# Altium PCB BMD-300-Eval.PcbDoc (part 1 of 3) (continued)
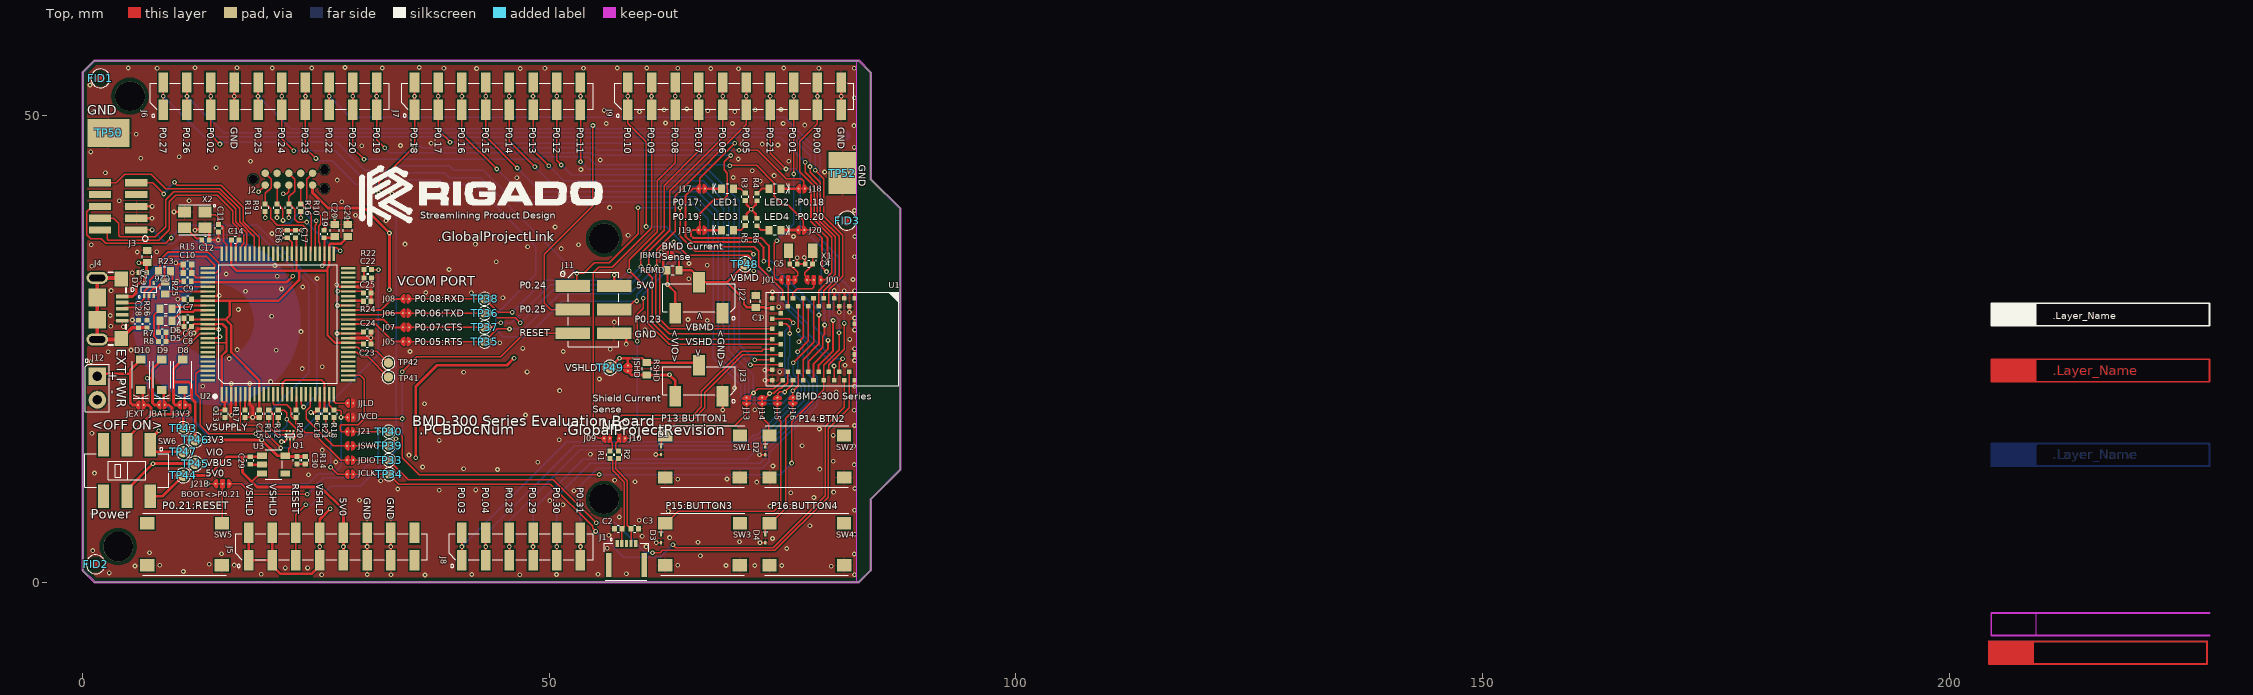
[diagram p0: Top view]
## Components (designator, comment, footprint, x,y, rotation, side; value= is the part's Value field where it differs from the comment) (continued)
JVCD "Solderbridge-OpenDNP" Solderbridge-Open#2 28.997,17.653 r180 top
LED1 "115-00020" "Diode 0603 HD" 69.088,42.164 r180 top
LED2 "115-00020" "Diode 0603 HD" 74.168,42.164 r0 top
LED3 "115-00019" "Diode 0603 HD" 69.088,37.719 r180 top
LED4 "115-00019" "Diode 0603 HD" 74.168,37.719 r0 top
Q1 "140-00019" SOT-963 22.225,15.748 r90 top
R1 "180-000200" "RES 0402 HD" 56.515,13.665 r90 top
R2 "180-000200" "RES 0402 HD" 57.404,13.665 r90 top
R3 "180-00031499" "RES 0402 HD" 70.993,41.294 r270 top
R4 "180-00031499" "RES 0402 HD" 72.263,41.275 r270 top
R5 "180-00098220" "RES 0402 HD" 70.993,38.608 r270 top
R6 "180-00098220" "RES 0402 HD" 72.263,38.589 r270 top
R7 "180-00098220" "RES 0402 HD" 8.54,26.78 r0 top
R8 "180-00031499" "RES 0402 HD" 8.54,25.805 r0 top
R9 "180-001214.7k" "RES 0402 HD" 20.828,40.132 r270 top
R10 "180-001214.7k" "RES 0402 HD" 23.368,40.132 r270 top
R11 "180-001214.7k" "RES 0402 HD" 19.558,40.132 r270 top
R12 "180-0002410k" "RES 0402 HD" 20.955,18.034 r90 top
R13 "180-0002410k" "RES 0402 HD" 19.939,18.034 r90 top
R14 "180-000211k" "RES 0402 HD" 23.851,13.056 r270 top
R15 "180-000686.8k" "RES 0402" 11.233,34.025 r0 top
R16 "180-001214.7k" "RES 0402 HD" 22.098,40.132 r90 top
R17 "180-000211k" "RES 0402 HD" 17.399,18.053 r270 top
R18 "180-0002410k" "RES 0402 HD" 26.924,18.034 r270 top
R20 "180-00056220" "RES 0402 HD" 22.86,18.034 r90 top
R21 "180-00056220" "RES 0402 HD" 26.035,18.034 r90 top
R22 "180-000211k" "RES 0402 HD" 30.566,33.49 r0 top
R23 "180-0000627" "RES 0603 HD" 8.765,33.305 r0 top
R24 "180-000211k" "RES 0402 HD" 30.48,30.099 r180 top
R25 "180-0000627" "RES 0603 HD" 8.84,31.53 r270 top
R26 "180-0002410k" "RES 0402 HD" 6.889,27.662 r90 top
RBMD "180-001091R" "RES 0603 HD" 63.246,33.426 r0 top
RSHD "180-001091R" "RES 0603 HD" 60.452,22.86 r90 top
SW1 "135-00002" SW_TACT_SMT_6mm 66.421,13.462 r0 top
SW2 "135-00002" SW_TACT_SMT_6mm 77.597,13.462 r0 top
SW3 "135-00002" SW_TACT_SMT_6mm 66.421,4.064 r0 top
SW4 "135-00002" SW_TACT_SMT_6mm 77.597,4.064 r0 top
SW5 "135-00002" SW_TACT_SMT_6mm 10.922,4.064 r0 top
SW6 "137-00006" SW_Slide_DPDT_JS202011SCQN 4.74,11.955 r180 top
TP1 "TP" TP10R 78.74,53.086 r90 bottom
TP2 "TP" TP10R 76.2,53.086 r90 bottom
TP3 "TP" TP10R 13.716,53.086 r90 bottom
TP4 "TP" TP10R 40.64,2.794 r90 bottom
TP5 "TP" TP10R 43.18,2.794 r90 bottom
TP6 "TP" TP10R 71.12,53.086 r90 bottom
TP7 "TP" TP10R 68.58,53.086 r90 bottom
TP8 "TP" TP10R 66.04,53.086 r90 bottom
TP9 "TP" TP10R 63.5,53.086 r90 bottom
TP10 "TP" TP10R 60.96,53.086 r90 bottom
TP11 "TP" TP10R 58.42,53.086 r90 bottom
TP12 "TP" TP10R 53.34,53.086 r90 bottom
TP13 "TP" TP10R 50.8,53.086 r90 bottom
TP14 "TP" TP10R 48.26,53.086 r90 bottom
TP15 "TP" TP10R 45.72,53.086 r90 bottom
TP16 "TP" TP10R 43.18,53.086 r90 bottom
TP17 "TP" TP10R 40.64,53.086 r90 bottom
TP18 "TP" TP10R 38.1,53.086 r90 bottom
TP19 "TP" TP10R 35.56,53.086 r90 bottom
TP20 "TP" TP10R 31.496,53.086 r90 bottom
TP21 "TP" TP10R 28.956,53.086 r90 bottom
TP22 "TP" TP10R 73.66,53.086 r90 bottom
TP23 "TP" TP10R 26.416,53.086 r90 bottom
TP24 "TP" TP10R 23.876,53.086 r90 bottom
TP25 "TP" TP10R 21.336,53.086 r90 bottom
TP26 "TP" TP10R 18.796,53.086 r90 bottom
TP27 "TP" TP10R 11.176,53.086 r90 bottom
TP28 "TP" TP10R 8.636,53.086 r90 bottom
TP29 "TP" TP10R 45.72,2.794 r90 bottom
TP30 "TP" TP10R 48.26,2.794 r90 bottom
TP31 "TP" TP10R 50.8,2.794 r90 bottom
TP32 "TP" TP10R 53.34,2.794 r90 bottom
TP33 "TP" TP10R 32.817,13.081 r90 top
TP34 "TP" TP10R 32.842,11.557 r90 top
TP35 "TP" TP10R 43.072,25.781 r90 top
TP36 "TP" TP10R 43.072,28.829 r90 top
TP37 "TP" TP10R 43.072,27.305 r90 top
TP38 "TP" TP10R 43.072,30.353 r90 top
TP39 "TP" TP10R 32.817,14.605 r90 top
TP40 "TP" TP10R 32.817,16.129 r90 top
TP41 "TP" TP10R 32.766,21.971 r90 top
TP42 "TP" TP10R 32.766,23.495 r90 top
TP43 "TP" TP10R 10.795,16.51 r90 top
TP44 "TP" TP12R 10.795,11.43 r90 top
TP45 "TP" TP12R 12.065,12.7 r90 top
TP46 "TP" TP12R 12.065,15.24 r90 top
TP47 "TP" TP12R 10.795,13.97 r90 top
TP48 "TP" TP12R 70.968,34.061 r180 top
TP49 "TP" TP12R 56.515,22.987 r90 top
TP50 "TP4.5x3SqDNP" TP4.5x3Sq#1 2.794,48.133 r180 top
TP51 "TP4.5x3SqDNP" TP4.5x3Sq#2 2.794,48.133 r180 bottom
TP52 "TP4.5x3SqDNP" TP4.5x3Sq#1 81.407,43.815 r270 top
TP53 "TP4.5x3SqDNP" TP4.5x3Sq#2 81.407,43.815 r90 bottom
TP54 "TP" TP10R 25.4,2.794 r90 bottom
TP55 "TP" TP10R 27.94,2.794 r90 bottom
TP56 "TP" TP10R 30.48,2.794 r90 bottom
TP57 "TP" TP10R 16.256,53.086 r90 bottom
TP58 "TP" TP10R 81.28,53.086 r90 bottom
U1 "205-00011" BMD-300 80.365,26.04 r180 top locked
U2 "200-00028" QFP0.5P25x25-100Pin 20.914,27.648 r90 top locked
U3 "260-00024" SOT-23-5 20.454,12.589 r0 top
X1 "100-00005" XTAL_3215 76.933,35.489 r180 top
X2 "100-00013" XTAL_3225 12.024,38.824 r180 top

## Footprints (in the part's own frame and the unit in brackets; to place one, negate y for a bottom-side part, rotate by r counter-clockwise, add the part's x,y. Pads: shape width x height; smd on the part's side, far side on the other; paste and mask are expansions set on the pad)
BMD-300 [mm] "BMD-300, LGA, 47pin ,1.1mm Pitch, 14mm x 9.8mm"
  rect 0.49x0.49 smd: 1(-2.35,-4.4) 2(-1.8,-3.5) 3(-1.25,-4.4) 4(-0.7,-3.5) 5(-0.15,-4.4) 6(0.4,-3.5) 7(0.95,-4.4) 8(1.5,-3.5) 9(2.05,-4.4) 10(2.6,-3.5) 11(3.15,-4.4) 12(3.7,-3.5) 13(4.25,-4.4) 14(4.8,-3.5) 15(5.35,-4.4) 16(6.45,-4.4) 17(6.45,-3.3) 18(5.55,-2.75) 19(6.45,-2.2) 20(5.55,-1.65) 21(6.45,-1.1) 22(5.55,-0.55) 23(6.45,0) 24(5.55,0.55) 25(6.45,1.1) 26(5.55,1.65) 27(6.45,2.2) 28(5.55,2.75) 29(6.45,3.3) 30(6.45,4.4) 31(5.35,4.4) 32(4.8,3.5) 33(4.25,4.4) 34(3.7,3.5) 35(3.15,4.4) 36(2.6,3.5) 37(2.05,4.4) 38(1.5,3.5) 39(0.95,4.4) 40(0.4,3.5) 41(-0.15,4.4) 42(-0.7,3.5) 43(-1.25,4.4) 44(-1.8,3.5) 45(-2.35,4.4) 46(-2.35,1.65) 47(-2.35,-1.65)
  Multi-Layer pour cut-out: -2.6,-4.9 -2.6,4.9 -7,4.9 -7,-4.9
  silkscreen extent -7.1,-5 7.1,5, body extent -7,-4.9 7,4.9, height 1.89
"Cap 0402" [mm] "Chip Capacitor, 2-Leads, Body 1.00x0.50mm, IPC Medium Density"
  rect 0.62x0.62 smd: 1(-0.45,0) 2(0.45,0)
  silkscreen extent -0.1,-0.43 0.1,0.43, body extent -0.55,-0.3 0.55,0.3, height 0.6
"Cap 0402 HD" [mm] "Chip Capacitor, 2-Leads, Body 1.00x0.50mm, IPC High Density"
  rect 0.52x0.55 smd: 1(-0.4,0) 2(0.4,0)
  silkscreen extent -0.1,-0.38 0.1,0.38, body extent -0.55,-0.3 0.55,0.3, height 0.6
"Cap 0603 HD" [mm] "Chip Cap 0603, 1.75mm x 9.5mm IPC High Density"
  rect 0.75x0.9 smd: 1(-0.65,0) 2(0.65,0)
  silkscreen extent -0.15,-0.5 0.15,0.5, body extent -0.87,-0.48 0.87,0.47, height 0.95
CR2032_HOLDER_SMD [mm]
  round 18 on Bottom Solder paste+0: 0(0,0)
  rect 5.08x5.08 smd: 1(-13.081,0) 1(13.081,0)
  rrect50% 10x10 smd paste-9: 2(0,0)
  Top circle w5: c0,0 r6.5
  silkscreen extent -10.54,-9.53 10.54,11.43, body extent -15.37,-10.27 15.37,9.78, height 3.96
"Diode 0603 HD" [mm] "Chip Diode, 2-Leads, Body 1.80x1.0mm, IPC High Density"
  rect 0.75x0.9 smd: A(-0.65,0) C(0.65,0)
  silkscreen extent -0.15,-0.5 1.52,0.5, body extent -0.9,-0.5 0.9,0.5, height 0.85
FIDUCIAL40 [mm] "FIDUCIAL .040\" Center, 0.075\" Outer Dia"
  Top circle w0.152: c0,0 r0.434
  Top pour cut-out: 0,-0.889 -0.34,-0.821 -0.629,-0.629 -0.821,-0.34 -0.889,0 -0.889,0 -0.821,0.34 -0.629,0.629 -0.34,0.821 0,0.889 0,0.889 0.34,0.821 0.629,0.629 0.821,0.34 0.889,0 0.889,0 0.821,-0.34 0.629,-0.629 0.34,-0.821 0,-0.889
  Top region: 0,-0.434 -0.166,-0.401 -0.307,-0.307 -0.401,-0.166 -0.434,0 -0.434,0 -0.401,0.166 -0.307,0.307 -0.166,0.401 0,0.434 0,0.434 0.166,0.401 0.307,0.307 0.401,0.166 0.434,0 0.434,0 0.401,-0.166 0.307,-0.307 0.166,-0.401 0,-0.434
  silkscreen extent -1.02,-1.02 1.02,1.01
HDR-0.1P-2PIN-TH [mil] "Header 0.1\" Pitch, 2 Pin, 2x1, Through Hole"
  rect 74x74 hole 40: 1(0,-50)
  round 74 hole 40: 2(0,50)
  silkscreen extent -50,-122 52,100, body extent -50,-100 50,100, height 320
HDR-0.1P-3Pin-1Row-SMT [mm] "Header 0.1\" Pitch, 3 Pin, 3x1, Surface Mount"
  rect 1.27x2.2 smd: 1(-2.54,1.65) 2(0,-1.65) 3(2.54,1.65)
  silkscreen extent -3.9,-1.5 3.9,2.38, body extent -3.81,-2.54 3.81,2.54, height 9.93
HDR-0.1P-6Pin-3x2-SMT [mm] "CON HDR 0.1\" 6Pin 2Row SMD, 7.62mm x 5.08mm"
  rect 1.27x3.68 smd: 1(-2.54,-2.22) 2(-2.54,2.22) 3(0,-2.22) 4(0,2.22) 5(2.54,-2.22) 6(2.54,2.22)
  silkscreen extent -4.05,-3.55 4,2.7, body extent -3.81,-3.75 3.81,3.75, height 9.7
HDR.050P-10Pin-2x5-SMT_Key [mm] "Header, 0.05\" Pitch, 10 Pin 2 x 5, Keyed, SMT, 6.35mm x 5.84mm"
  rect 0.76x2.4 smd: 1(-2.54,-1.95) 2(-2.54,1.95) 3(-1.27,-1.95) 4(-1.27,1.95) 5(0,-1.95) 6(0,1.95) 7(1.27,-1.95) 8(1.27,1.95) 9(2.54,-1.95) 10(2.54,1.95)
  silkscreen extent -3.75,-3.2 -3.15,-2.6, body extent -3.4,-2.9 3.4,2.9, height 5.96
"Molex 051281-0594" [mm] "FPC 0.50mm Pitch, 5Pin, R/A"
  rect 0.6x2.6 smd: 0(-1.9,0) 0(1.9,0)
  rect 0.35x0.8 smd: 1(-1,2.3) 2(-0.5,2.3) 3(0,2.3) 4(0.5,2.3) 5(1,2.3)
  silkscreen extent -2.4,-1.65 2.4,2.85, body extent -2.3,-1.55 2.3,2.5, height 1.2
QFP0.5P25x25-100Pin [mm] "Thin QFP, 25x25 100-Leads, Body 14x14mm, Pitch 0.5mm, IPC High Density"
  rect 1.55x0.25 smd: 1(-7.525,6) 2(-7.525,5.5) 3(-7.525,5) 4(-7.525,4.5) 5(-7.525,4) 6(-7.525,3.5) 7(-7.525,3) 8(-7.525,2.5) 9(-7.525,2) 10(-7.525,1.5) 11(-7.525,1) 12(-7.525,0.5) 13(-7.525,0) 14(-7.525,-0.5) 15(-7.525,-1) 16(-7.525,-1.5) 17(-7.525,-2) 18(-7.525,-2.5) 19(-7.525,-3) 20(-7.525,-3.5) 21(-7.525,-4) 22(-7.525,-4.5) 23(-7.525,-5) 24(-7.525,-5.5) 25(-7.525,-6) 51(7.525,-6) 52(7.525,-5.5) 53(7.525,-5) 54(7.525,-4.5) 55(7.525,-4) 56(7.525,-3.5) 57(7.525,-3) 58(7.525,-2.5) 59(7.525,-2) 60(7.525,-1.5) 61(7.525,-1) 62(7.525,-0.5) 63(7.525,0) 64(7.525,0.5) 65(7.525,1) 66(7.525,1.5) 67(7.525,2) 68(7.525,2.5) 69(7.525,3) 70(7.525,3.5) 71(7.525,4) 72(7.525,4.5) 73(7.525,5) 74(7.525,5.5) 75(7.525,6)
  rect 0.25x1.55 smd: 26(-6,-7.525) 27(-5.5,-7.525) 28(-5,-7.525) 29(-4.5,-7.525) 30(-4,-7.525) 31(-3.5,-7.525) 32(-3,-7.525) 33(-2.5,-7.525) 34(-2,-7.525) 35(-1.5,-7.525) 36(-1,-7.525) 37(-0.5,-7.525) 38(0,-7.525) 39(0.5,-7.525) 40(1,-7.525) 41(1.5,-7.525) 42(2,-7.525) 43(2.5,-7.525) 44(3,-7.525) 45(3.5,-7.525) 46(4,-7.525) 47(4.5,-7.525) 48(5,-7.525) 49(5.5,-7.525) 50(6,-7.525) 76(6,7.525) 77(5.5,7.525) 78(5,7.525) 79(4.5,7.525) 80(4,7.525) 81(3.5,7.525) 82(3,7.525) 83(2.5,7.525) 84(2,7.525) 85(1.5,7.525) 86(1,7.525) 87(0.5,7.525) 88(0,7.525) 89(-0.5,7.525) 90(-1,7.525) 91(-1.5,7.525) 92(-2,7.525) 93(-2.5,7.525) 94(-3,7.525) 95(-3.5,7.525) 96(-4,7.525) 97(-4.5,7.525) 98(-5,7.525) 99(-5.5,7.525) 100(-6,7.525)
  silkscreen extent -7.9,-6.35 6.35,6.89, body extent -8,-8 8,8, height 1.6
"RES 0402" [mm] "Chip Resistor, 2-Leads, Body 1.05x0.54mm, IPC Medium Density"
  rect 0.62x0.62 smd: 1(-0.45,0) 2(0.45,0)
  silkscreen extent -0.1,-0.43 0.1,0.43, body extent -0.55,-0.3 0.55,0.3, height 0.4
"RES 0402 HD" [mm] "Chip Resistor, 2-Leads, Body 1.05x0.54mm, IPC High Density"
  rect 0.52x0.55 smd: 1(-0.4,0) 2(0.4,0)
  silkscreen extent -0.1,-0.38 0.1,0.38, body extent -0.55,-0.3 0.55,0.3, height 0.4
"RES 0603 HD" [mm] "Chip Resistor, 2-Leads, Body 1.60x0.80mm, IPC High Density"
  rect 0.75x0.9 smd: 1(-0.65,0) 2(0.65,0)
  silkscreen extent -0.15,-0.5 0.15,0.5, body extent -0.85,-0.48 0.85,0.48, height 0.55
SKT-0.1P-SSM-106-L-SV [mm] "Con Socket Strip 0.1\" 6Pin 1Row SMD 15.24mm x 2.54mm"
  rect 1.02x2.19 smd: 1(-6.35,-1.465) 1(-6.35,1.465) 2(-3.81,-1.465) 2(-3.81,1.465) 3(-1.27,-1.465) 3(-1.27,1.465) 4(1.27,-1.465) 4(1.27,1.465) 5(3.81,-1.465) 5(3.81,1.465) 6(6.35,1.465) 6(6.35,-1.465)
  silkscreen extent -7.73,-2.25 7.73,1.4, body extent -7.62,-2.29 7.62,2.29, height 7.47
SKT-0.1P-SSM-108-L-SV [mm] "Con Socket Strip 0.1\" 8 Pin 1Row SMD, 20.32mm x 2.54mm"
  rect 1.02x2.19 smd: 1(-8.89,-1.465) 1(-8.89,1.465) 2(-6.35,-1.465) 2(-6.35,1.465) 3(-3.81,-1.465) 3(-3.81,1.465) 4(-1.27,-1.465) 4(-1.27,1.465) 5(1.27,-1.465) 5(1.27,1.465) 6(3.81,1.465) 6(3.81,-1.465) 7(6.35,-1.465) 7(6.35,1.465) 8(8.89,-1.465) 8(8.89,1.465)
  silkscreen extent -10.28,-2.25 10.28,1.4, body extent -10.16,-2.29 10.16,2.29, height 7.44
SKT-0.1P-SSM-110-L-SV [mm] "Con Socket Strip 0.1\" 10Pin 1Row SMD, 24.5mm x 4.42mm"
  rect 1.02x2.19 smd: 1(-11.43,-1.465) 1(-11.43,1.465) 2(-8.89,-1.465) 2(-8.89,1.465) 3(-6.35,-1.465) 3(-6.35,1.465) 4(-3.81,-1.465) 4(-3.81,1.465) 5(-1.27,-1.465) 5(-1.27,1.465) 6(1.27,-1.465) 6(1.27,1.465) 7(3.81,-1.465) 7(3.81,1.465) 8(6.35,-1.465) 8(6.35,1.465) 9(8.89,-1.465) 9(8.89,1.465) 10(11.43,-1.465) 10(11.43,1.465)
  silkscreen extent -12.83,-2.27 12.8,1.4, body extent -12.7,-2.29 12.7,2.29, height 7.44
SOD-123 [mm] "SOD-123, Unidirectional, 2-Leads, Body 1.65x3.60mm, IPC High Density"
  rect 0.88x1.02 smd: A(1.63,0) C(-1.63,0)
  silkscreen extent -2.52,-0.95 1.43,0.95, body extent -1.45,-0.9 1.45,0.9, height 1.28
SOD-923 [mm] "SOD-923, 2-Leads, Body 1.25x2.50mm, IPC High Density,"
  rect 0.36x0.25 smd mask+0.05: 1(-0.42,0) 2(0.42,0)
  silkscreen extent -0.75,-0.25 -0.75,0.25, body extent -0.4,-0.3 0.4,0.3, height 0.4
Solderbridge-Open#1 [mm]
  round 0.2 smd paste-10: 1(0,0) 2(0.625,0)
  Top region: 0.389,0.432 0.465,0.505 0.583,0.467 0.648,0.424 0.721,0.351 0.775,0.292 0.833,0.193 0.861,0.099 0.856,-0.122 0.831,-0.193 0.747,-0.33 0.663,-0.411 0.571,-0.469 0.47,-0.5 0.419,-0.483 0.389,-0.43
  Top region: 0.236,-0.432 0.16,-0.505 0.042,-0.467 -0.023,-0.424 -0.097,-0.351 -0.15,-0.292 -0.208,-0.193 -0.236,-0.099 -0.231,0.122 -0.206,0.193 -0.122,0.33 -0.038,0.411 0.054,0.469 0.155,0.5 0.206,0.483 0.236,0.43
  Top lines w0.152: 0.465,0.431 cw(c0.355,0) 0.774,0.149 cw(c0.355,0) 0.799,0 cw(c0.355,0) 0.465,-0.431 ; 0.159,0.431 ccw(c0.27,0) 0.025,0.371 ccw(c0.27,0) -0.175,0 ccw(c0.27,0) 0.103,-0.412 ccw(c0.27,0) 0.159,-0.431
Solderbridge-Open#2 [mm]
  round 0.2 smd paste-10: 1(0,0) 2(0.625,0)
  Top region: 0.389,0.432 0.465,0.505 0.583,0.467 0.648,0.424 0.721,0.351 0.775,0.292 0.833,0.193 0.861,0.099 0.856,-0.122 0.831,-0.193 0.747,-0.33 0.663,-0.411 0.571,-0.469 0.47,-0.5 0.419,-0.483 0.389,-0.43
  Top region: 0.236,-0.432 0.16,-0.505 0.042,-0.467 -0.023,-0.424 -0.097,-0.351 -0.15,-0.292 -0.208,-0.193 -0.236,-0.099 -0.231,0.122 -0.206,0.193 -0.122,0.33 -0.038,0.411 0.054,0.469 0.155,0.5 0.206,0.483 0.236,0.43
  Top lines w0.152: 0.465,0.431 cw(c0.355,0) 0.694,0.287 cw(c0.355,0) 0.774,0.149 cw(c0.355,0) 0.465,-0.431 ; 0.159,0.431 ccw(c0.27,0) 0.025,0.371 ccw(c0.27,0) -0.175,0 ccw(c0.27,0) 0.159,-0.431
Solderbridge-Option [mm]
  round 0.2 smd paste-10: 1(0,0) 2(0.75,0) 3(1.501,0)
  Top region: 0.575,0.45 0.575,-0.45 0.925,-0.45 0.925,0.45
  Top region: 0.236,-0.432 0.16,-0.505 0.042,-0.467 -0.023,-0.424 -0.097,-0.351 -0.15,-0.292 -0.208,-0.193 -0.236,-0.099 -0.231,0.122 -0.206,0.193 -0.122,0.33 -0.038,0.411 0.054,0.469 0.155,0.5 0.206,0.483 0.236,0.43
  Top region: 1.265,0.432 1.341,0.505 1.459,0.467 1.523,0.424 1.597,0.351 1.65,0.292 1.709,0.193 1.737,0.099 1.732,-0.122 1.706,-0.193 1.623,-0.33 1.539,-0.411 1.447,-0.469 1.346,-0.5 1.295,-0.483 1.265,-0.43
  Top lines w0.152: 0.159,-0.431 cw(c0.27,0) 0.159,0.431 ; 1.341,-0.431 ccw(c1.231,0) 1.341,0.431
  Top lines w0.153: 0.575,-0.45 0.575,0.45 0.925,0.45 0.925,-0.45 0.575,-0.45
  Top lines w0.203: 0,0 0.75,0
Solderbridge-Short [mm]
  round 0.2 smd paste-10: 1(0,0) 2(0.676,0)
  Top region: 0.236,-0.432 0.16,-0.505 0.042,-0.467 -0.023,-0.424 -0.097,-0.351 -0.15,-0.292 -0.208,-0.193 -0.236,-0.099 -0.231,0.122 -0.206,0.193 -0.122,0.33 -0.038,0.411 0.054,0.469 0.155,0.5 0.206,0.483 0.236,0.43
  Top region: 0.44,0.432 0.516,0.505 0.634,0.467 0.699,0.424 0.772,0.351 0.826,0.292 0.884,0.193 0.912,0.099 0.907,-0.122 0.881,-0.193 0.798,-0.33 0.714,-0.411 0.622,-0.469 0.521,-0.5 0.47,-0.483 0.44,-0.43
  Top lines w0.152: 0.159,-0.431 cw(c0.27,0) 0.159,0.431 ; 0.516,-0.431 ccw(c0.406,0) 0.516,0.431
  Top lines w0.203: 0,0 0.676,0
SOT-23-5 [mm] "SOT23-5, 5-Leads, Body 3.1x2.8mm, Pitch 0.95mm, IPC Medium Density"
  rect 1.05x0.66 smd: 1(-1.25,0.95) 2(-1.25,0) 3(-1.25,-0.95) 4(1.25,-0.95) 5(1.25,0.95)
  silkscreen extent -0.9,-1.58 0.92,1.58, body extent -0.9,-1.55 0.9,1.55, height 1.45
SOT-553 [mm] "SOT-553, 5 lead 0.50mm pitch, 1.3mm x 1.7mm"
  rect 0.45x0.3 smd mask+0.05: 1(-0.675,0.5) 2(-0.675,0) 3(-0.675,-0.5) 4(0.675,-0.5) 5(0.675,0.5)
  silkscreen extent -0.92,-0.85 0.3,1.17, body extent -0.68,-0.85 0.67,0.85, height 0.6
SOT-963 [mm] "SOT-963, 6-Leads, 1.0mm x 0.8mm, Pitch 0.35mm, High Density"
  rect 0.25x0.2 smd: 1(-0.45,0.35) 2(-0.45,0) 3(-0.45,-0.35) 4(0.45,-0.35) 5(0.45,0) 6(0.45,0.35)
  silkscreen extent -0.77,-0.5 0.15,0.62, body extent -0.4,-0.5 0.4,0.5, height 0.4
SW_Slide_DPDT_JS202011SCQN [mm] "SWITCH SLIDE DPDT 300MA 6V SMD"
  rect 1.2x2.5 smd: 1(-2.5,-2.75) 2(0,-2.75) 3(2.5,-2.75) 4(-2.5,2.75) 5(0,2.75) 6(2.5,2.75)
  silkscreen extent -4.5,-2.47 4.5,1.8, body extent -4.52,-3.75 4.52,3.75, height 5.5
SW_TACT_SMT_6mm [mm] "Tactile Switch, SMT 6mm x 6mm, height 4.3mm, actuator 160gf"
  rect 1.55x1.3 smd: 1(-4,2.25) 3(-4,-2.25) 4(4,-2.25)
  rect 1.5x1.3 smd: 2(4,2.25)
  silkscreen extent -4.5,-3.3 4.5,3.3, body extent -4.5,-3.1 4.5,3.1, height 4.29
TC2050-IDC-NL [mm] "CON PADS FOR CBL PLUG-OF-NAILS 10-PIN NO LEGS"
  round 0.8 smd paste-0.9: 1(0,0) 2(1.27,0) 3(2.54,0) 4(3.81,0) 5(5.08,0) 6(5.08,1.27) 7(3.81,1.27) 8(2.54,1.27) 9(1.27,1.27) 10(0,1.27)
  round 1 hole 1 paste-1.1: A(-1.27,0.635) B(6.35,-0.381) C(6.35,1.651)
  Top pour cut-out: 0,1.27 5.08,1.27 5.08,0 0,0
TP4.5x3Sq#1 [mm] "Test Point, 4.5mm x 3.0mm Square"
  rect 4.5x3 smd: 1(0,0)
TP4.5x3Sq#2 [mm] "Test Point, 4.5mm x 3.0mm Square"
  rect 4.5x3 smd paste-2.54: 1(0,0)
TP10R [mm] "Testpoint, Round 1.0mm Dia"
  round 1 smd paste-0.5: 1(0,0)
  silkscreen extent -0.7,-0.7 0.7,0.7, body extent -0.5,-0.5 0.5,0.5, height 0.05
TP12R [mm] "Testpoint, Round 1.2mm Dia"
  round 1.2 smd paste-0.5: 1(0,0)
  silkscreen extent -0.8,-0.8 0.8,0.8, body extent -0.6,-0.6 0.6,0.6, height 0.05
USB_Micro_RA_W-2TABS [mm] "USB Micro-AB Connector, 5-Leads, Pitch 0.65mm, 8mm x 5mm"
  rect 0.4x1.35 smd: 1(-1.3,2.675) 2(-0.65,2.675) 3(0,2.675) 4(0.65,2.675) 5(1.3,2.675)
  oval 1.3x2.3 hole 0.7 slot 1.7 at 90 deg: 6(-3.3,0) 6(3.3,0.001)
  rect 1.6x1.4 smd: 6(-3.2,2.575) 6(3.2,2.575)
  rect 1.9x1.9 smd: 6(-1.2,0) 6(1.2,0)
  silkscreen extent -3.9,1.2 3.9,3.97, body extent -4,-2.62 4,3.43, height 2.83
XTAL_3215 [mm] "XTAL, 2-Leads, Body 1.50x3.20mm"
  rect 1x1.55 smd: 1(-1.3,0) 2(1.3,0)
  silkscreen extent -1.7,0.98 -1.6,1.07, body extent -1.65,-0.8 1.65,0.8, height 0.9
XTAL_3225 [mm] "Crystal, 4 lead, 3.2mm x 2.5mm"
  rect 1.4x1.15 smd: 1(-1.1,-0.85) 2(1.1,-0.85) 3(1.1,0.85) 4(-1.1,0.85)
  silkscreen extent -2.23,-1.62 1.7,1.6, body extent -1.7,-1.35 1.7,1.35, height 0.8

## Part data
Bat1: library part Battery, "Bat Holder CR2032 SMD"
C1: library part 120-00032, "Cap, Ceramic 4.7uF 16V 10% X5R 0603"
C2 C3: library part 120-00099, "CAP CER 300PF 50V NP0 0402"
C4 C5: library part 120-00048, "Cap, Ceramic 6pF 50V NP0 0402  Tolerance = +/-0.5pF"
C6 C7 C8 C9 C13 C14 C15 C16 C17 C18 C19 C23 C24 C25 C26 C28: library part 120-00016, "Cap, Ceramic 0.1uF 10V 10% X5R 0402"
C10: library part 120-00065, "Cap, Ceramic, 10pF 50V 5% NPO 0402"
C11 C12: library part 120-00041, "Cap, Ceramic 18pF 50V 5% NP0 0402"
C20 C21 C27: library part 120-00024, "Cap, Ceramic 10uF 10V 20% X5R 0603"
C22: library part 120-00084, "CL05B103KO5NNNC"
C29 C30: library part 120-00017, "Cap, Ceramic, 1.0uF 10V 10% X5R, 0402"
D1 D2 D3 D4: "ESD9B3.3ST5G"
D5 LED3 LED4: "LED GREEN CLEAR 0603 SMD"
D6 LED1 LED2: "LED RED CLEAR 0603 SMD"
D7: "LOW-CAPACITANCE 3-CHANNEL ESD-PROTECTION ARRAY"
FID1 FID2 FID3 FID4 FID5 FID6: library part FIDUCIAL.04, "Fiducial, 0.040\" inner Dia, 0.075\" outer Dia"
J00 J01 J21B: library part Solderbridge-Option, "Solderbridge-Option"
J1: "CON FFC/FPC 0.50mm 5Pos R/A"
J2: library part TC2050-IDC-NL, "CON PADS FOR CBL PLUG-OF-NAILS 10-PIN NO LEGS"
J3: "Header 0.05\" 10Pin 2Row SMD Black"
J3V3 J09 J10 JBAT JBMD JEXT JJLD JSHD JVCD: library part Solderbridge-Open, "Solderbridge-Open"
J4: "USB Micro B Receptacle, Right Angle, SMT with 2 TH Tabs"
J5 J7: "Con Socket Strip 0.1\" 8 Pin 1Row SMD"
J05 J06 J07 J08 J13 J14 J15 J16 J17 J18 J19 J20 J21 JCLK JDIO JSWO: library part Solderbridge-Short, "Solderbridge-Short"
J6 J9: "Con Socket Strip 0.1\" 10Pin 1Row SMD"
J8: "Con Socket Strip 0.1\" 6Pin 1Row SMD"
J11: "Header 0.1\" 6 Pin 2 Row SMD Black"
J12: library part 130-00048, "Header 0.100\" Pitch, 2 Pin, 2x1, TH."
J22 J23: "Header, 0.100\" Pitch, 3 Pin, Vertical SMT"
Q1: "Mosfet, Dual, N-Channel and P-Channel Pair, 20V 180mA, SOT963"
R1 R2: library part 180-00020, "Resistor 0 ohm 1/16W 0402"
R3 R4 R8: library part 180-00031, "Resistor 499 ohm 1%, 1/16W, 0402"
R5 R6 R7: library part 180-00098, "RC1005J221CS"
R9 R10 R11 R16: library part 180-00121, "RES SMD 4.7K OHM 1% 1/16W 0402"
R12 R13 R18 R26: library part 180-00024, "Resistor 10k ohm 1% 1/16W, 0402"
R14 R17 R22 R24: library part 180-00021, "Resistor 1k ohm 1% 1/16W, 0402"
R15: library part 180-00068, "Resistor 6.8k ohm 1%, 1/16W, 0402"
R20 R21: library part 180-00056, "Resistor 220 ohm 1%, 1/16W, 0402"
R23 R25: library part 180-00006, "Resistor 27 ohm 5%, 1/10W, 0603"
RBMD RSHD: library part 180-00109, "Resistor 1 ohm 1%, 1/10W, 0603"
SW1 SW2 SW3 SW4 SW5: "Tactile Switch, SPST-NO, SMT 160gf."
SW6: "SWITCH SLIDE DPDT 300MA 6V SMD"
TP1 TP2 TP3 TP4 TP5 TP6 TP7 TP8 TP9 TP10 TP11 TP12 TP13 TP14 TP15 TP16 TP17 TP18 TP19 TP20 TP21 TP22 TP23 TP24 TP25 TP26 TP27 TP28 TP29 TP30 TP31 TP32 TP33 TP34 TP35 TP36 TP37 TP38 TP39 TP40 TP41 TP42 TP43 TP54 TP55 TP56 TP57 TP58: library part TP10R, "Testpoint, Round 1.0mm Dia"
TP44 TP45 TP46 TP47 TP48 TP49: library part TP12R, "Testpoint, Round 1.2mm Dia"
TP50 TP51 TP52 TP53: library part TP4.5x3Sq, "Testpoint, Rectangular 4.5mm x 3mm"
U1: "Bluetooth 4.2 LE SoM, 512kB Flash, 64kB RAM, nRF52832-based"
U2: "IC MCU 32BIT 128KB FLASH 100LQFP"
U3: "IC REG LDO 3.3V 0.3A SOT23-5"
X1: "XTAL, 2Pin, 32.768kHz, 7pF 20ppm"
X2: "7M-12.000MAAJ-T"

## Free pads (board coordinates)
  round 3.2 hole 3.2 unplated: 0(3.81,3.81) 0(5.08,52.07) 0(55.88,8.89) 0(55.88,36.83)

## Via types
v1: diameter 0.508, hole 0.254, Top to Bottom, tented both sides, 241 vias
v2: diameter 0.508, hole 0.254, Top to Bottom, 223 vias

## Nets (pads, with @x,y where several pads share a name; then routed paths per layer and width w, separated by ;. In a path a pad name is that pad's centre, name@x,y a point inside that pad or via, vN(x,y) a via of type N, cw(c..) or ccw(c..) an arc to the next point about the centre after c; other vN are vias at no path point)
3V3: C30.1 D8.A J3V3.2 Q1.2 R14.1 R22.2 TP46.1 U2.90 U3.5 | length 59
  Top w0.152: D8.A@10.716,23.853 10.716,24.762 12.548,26.594 13.335,26.594 U2.90@13.389,26.648 ; U3.5@21.704,13.539 21.844,13.539 22.073,13.767 22.073,14.3 22.225,14.453 Q1.2@22.225,15.298 ; R22.2@30.966,33.49 30.979,33.477 v2(31.699,33.477)
  Top w0.305: 9.728,21.387 9.728,19.202 9.931,18.999 10.214,18.999 J3V3.2@10.389,18.999 ; D8.A@10.716,23.853 9.728,22.865 9.728,21.463 11.379,21.463 11.659,21.184 11.659,19.685 12.065,19.279 TP46.1@12.065,15.24 v2(19.177,15.24) 20.878,13.539 U3.5@21.704,13.539 21.787,13.456 C30.1@22.962,13.456 R14.1@23.851,13.456
  Bottom w0.152: v2(19.177,15.24) 20.701,15.24 21.006,15.545 22.86,15.545 31.699,24.384 v2(31.699,33.477)
5V0: C29.1 J2.5 J5.5 J11.2 SW6.4 TP44.1 TP55.1 U3.1 U3.3 | length 103.9
  Top w0.152: 18.161,10.82 18.979,11.639 U3.3@19.204,11.639
  Top w0.305: SW6.4@7.24,9.205 8.57,9.205 TP44.1@10.795,11.43 13.487,11.43 15.496,13.439 17.145,13.439 ; U3.1@19.204,13.539 19.104,13.439 C29.1@17.954,13.439 17.145,13.439 ; J2.5@24.638,42.545 24.638,41.732 26.289,40.081 30.201,40.081 v2(32.868,37.414) v2(32.868,31.318) ; J5.5@27.94,2.345 v2(27.94,3.81) J5.5@27.94,5.275 27.94,7.772 v2(25.502,10.211) 18.669,10.211 17.145,11.735 17.145,13.439 ; J11.2@56.957,31.75 v2(56.957,32.908)
  Layer 3 w0.305: v2(25.502,10.211) 25.502,12.954 32.868,20.32 v2(32.868,31.318) ; v2(32.868,37.414) 51.003,37.414 55.509,32.908 v2(56.957,32.908)
  Bottom w0.305: TP55.1@27.94,2.794 v2(27.94,3.81)
BOOT: J21B.1 JVCD.2 R18.1 U2.24 | length 25.1
  Top w0.152: v2(13.411,10.541) J21B.1@14.235,10.541 ; U2.24@26.414,20.123 26.414,18.944 R18.1@26.924,18.434 27.54,18.434 27.686,18.288 v2(27.686,17.653) 28.197,17.653 JVCD.2@28.372,17.653
  Bottom w0.152: v2(13.411,10.541) 24.181,10.541 25.248,11.608 26.822,11.608 27.686,12.471 v2(27.686,17.653)
CTS: J05.1 U2.38 | length 6.4
  Top w0.203: U2.38@28.689,27.648 31.426,27.648 33.293,25.781 J05.1@34.309,25.781
DFSD_N: R23.2 U2.80 | length 5.1
  Top w0.203: R23.2@9.415,33.305 9.64,33.08 9.64,31.93 9.922,31.648 U2.80@13.139,31.648
DFSD_P: R25.2 U2.81 | length 4.4
  Top w0.203: R25.2@8.84,30.88 9.108,31.148 U2.81@13.139,31.148
DHSD_N: D7.1 J4.2 R23.1 U2.77 | length 16.9
  Top w0.203: J4.2@4.425,29.88 6.125,29.88 6.565,30.32 6.565,30.647 D7.1@6.612,30.694 6.612,31.167 7.199,31.754 7.199,31.911 7.208,31.92 7.208,32.374 R23.1@8.115,33.281 ; J4.2@4.425,29.987 J4.2@4.433,29.987 ; R23.1@8.308,33.019 8.308,34.519 9.145,35.357 13.437,35.357 14.582,34.211 14.582,33.404 14.327,33.148 U2.77@13.139,33.148